# KiCad board rosco_m68k.kicad_pcb (continued)
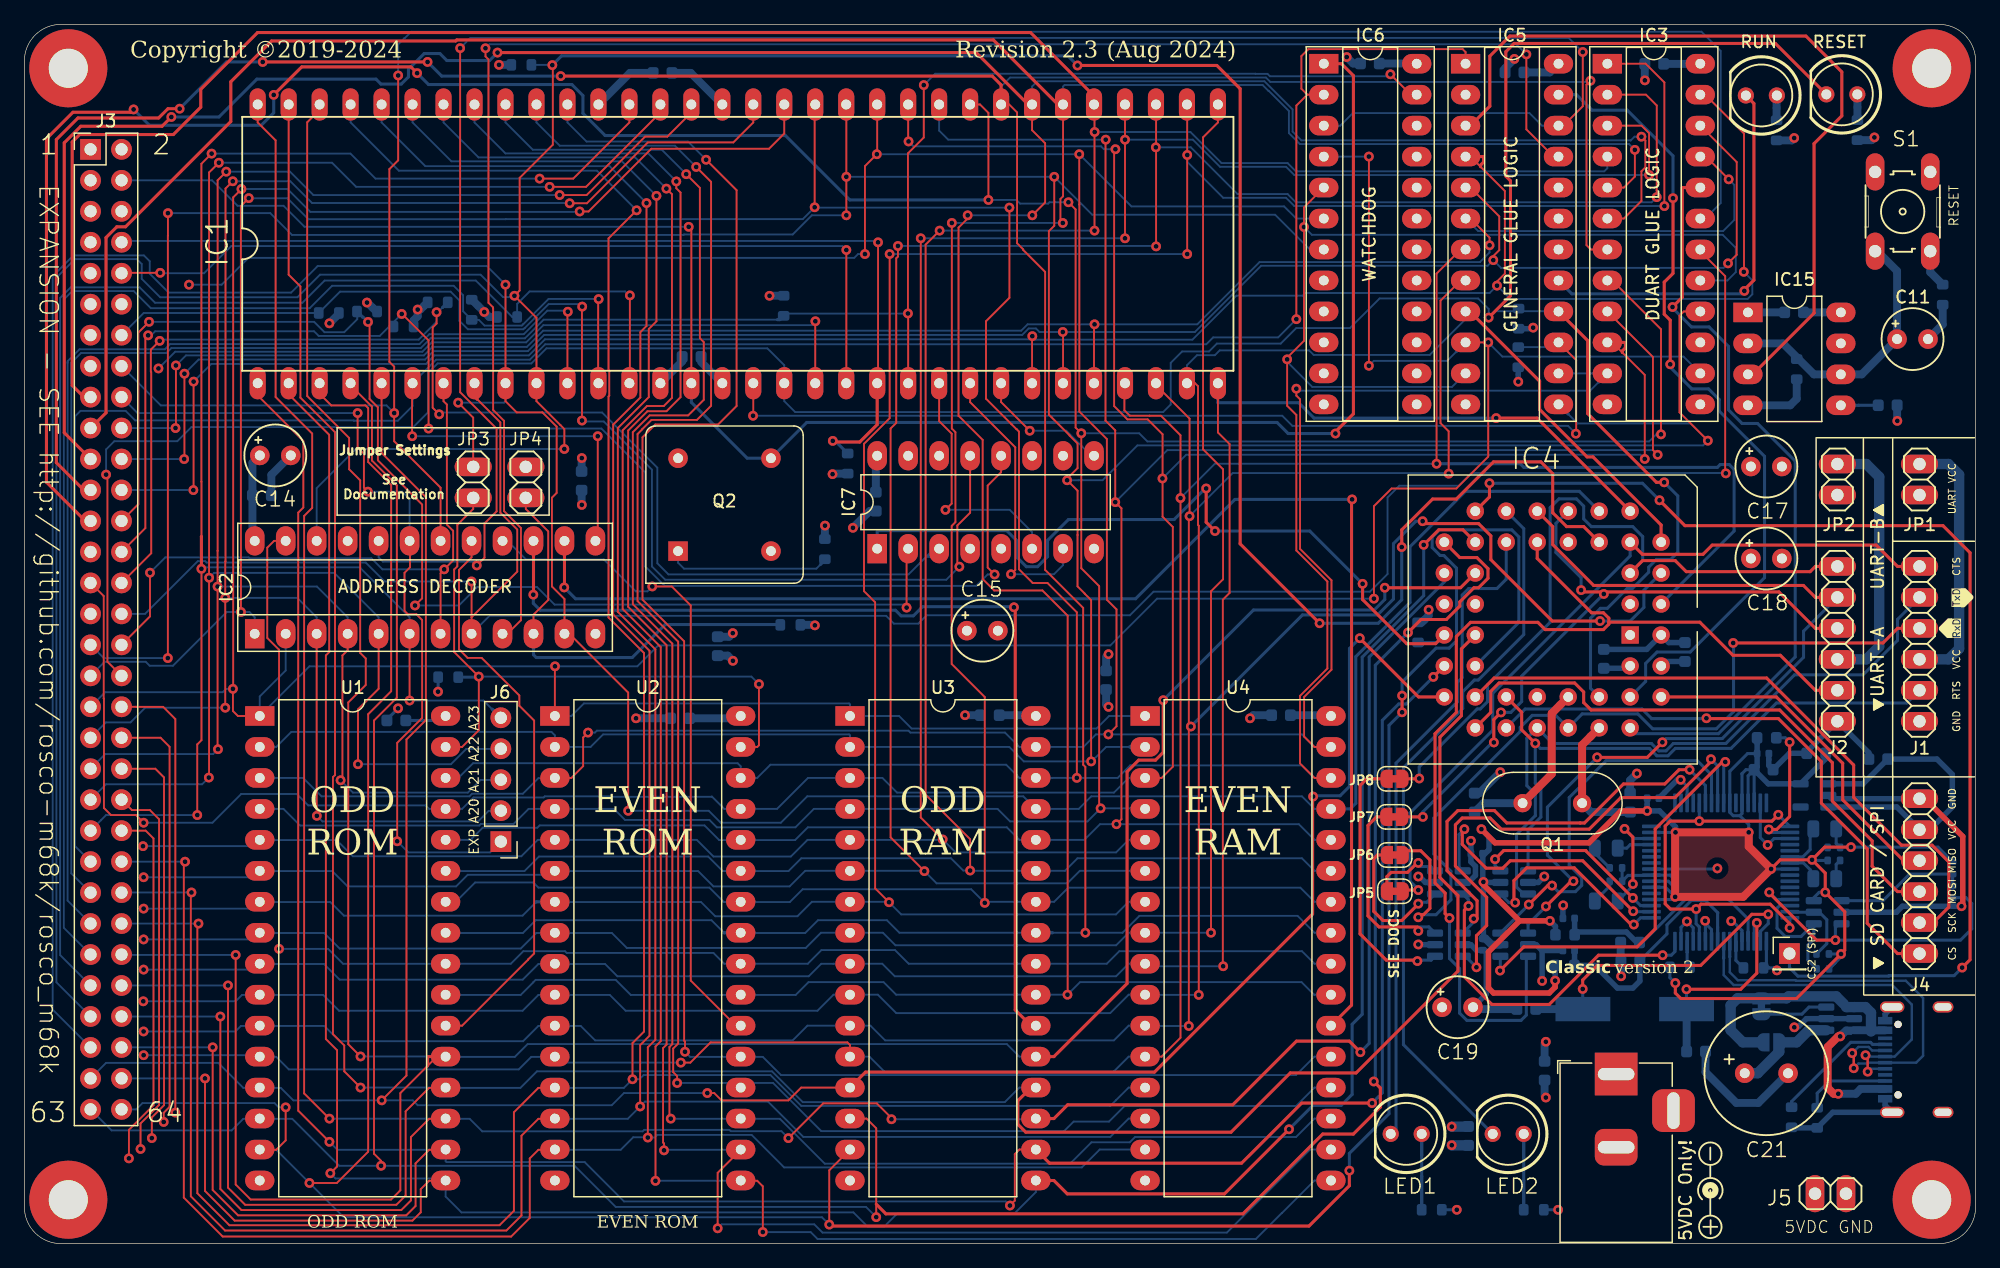
[diagram p0: board, top side]
## Nets
+3V3: C20.1 C23.1 C33.1 C34.1 C35.1 C36.1 FB1.2 FB2.2 FB3.2 IC9.5 IC11.5 IC12.20 IC12.22 IC12.23 IC12.24 IC12.31 IC12.42 IC12.44 IC12.45 IC12.46 IC12.56 R6.2 R20.2 R22.2 R23.2 R24.1 R25.2 R26.2 R33.2 U6.5 U8.6
GND: C1.1 C2.1 C3.2 C4.2 C5.2 C6.2 C7.2 C8.2 C9.2 C10.2 C11.- C12.2 C14.- C15.- C16.2 C17.- C18.- C19.- C20.2 C21.- C22.2 C23.2 C24.2 C25.2 C26.2 C27.2 C28.2 C29.2 C30.2 C31.2 C32.2 C33.2 C34.2 C35.2 C36.2 C37.2 C38.2 C39.2 C40.2 C41.1 C42.1 H1.1 H2.1 H3.1 H4.1 IC1.16 IC1.53 IC2.12 IC3.12 IC4.3 IC4.22 IC4.42 IC4.43 IC5.12 IC6.12 IC6.13 IC7.5 IC7.8 IC7.10 IC8.2 IC9.2 IC10.2 IC11.2 IC12.1 IC12.5 IC12.10 IC12.11 IC12.13 IC12.15 IC12.25 IC12.35 IC12.47 IC12.51 IC13.2 IC13.5 IC15.1 J1.1 J2.1 J3.6 J4.6 J5.2 J9.2 J10.A1 J10.A12 J10.B1 J10.B12 J10.S1 JP4.2 Q2.4 R4.2 R5.1 R28.1 R30.1 U1.16 U2.16 U3.16 U4.16 U6.2 U8.2
VCC: C3.1 C4.1 C5.1 C6.1 C7.1 C8.1 C9.1 C10.1 C12.1 C13.1 C14.+ C15.+ C16.1 C17.+ C18.+ C19.+ C21.+ C22.1 C24.1 C25.1 C26.1 C27.1 C28.1 C29.1 C30.1 C31.1 C32.1 IC1.14 IC1.49 IC2.24 IC3.24 IC4.44 IC5.24 IC6.24 IC7.4 IC7.11 IC7.16 IC8.5 IC10.5 IC13.1 IC15.4 IC15.8 J3.2 J4.5 J5.1 J9.1 JP1.2 JP2.2 Q2.8 R1.2 R2.2 R3.1 R7.2 R8.1 R9.2 R10.2 R11.1 R12.1 R13.2 R14.2 R15.1 R16.1 R17.1 R18.1 R19.1 R21.1 R27.2 R31.2 R32.2 SJ2.2 U1.32 U2.32 U3.32 U4.32 U6.1 U6.3
VCCUA: J1.3 JP1.1
VCCUB: J2.3 JP2.1
/FTDI (Optional)/EE_CLK: IC12.62 R25.1 U8.4
/FTDI (Optional)/EE_CS: IC12.63 R24.2 U8.5
/FTDI (Optional)/EE_DAT: IC12.61 R29.1 U8.3
/FTDI (Optional)/FTDI_CTSA: IC9.6 IC12.19
/FTDI (Optional)/FTDI_CTSB: IC11.4 IC12.41
/FTDI (Optional)/FTDI_RTSA: IC8.1 IC12.18
/FTDI (Optional)/FTDI_RTSB: IC10.3 IC12.40
/FTDI (Optional)/FTDI_RXA: IC9.4 IC12.17
/FTDI (Optional)/FTDI_RXB: IC11.6 IC12.39
/FTDI (Optional)/FTDI_TXA: IC8.3 IC12.16
/FTDI (Optional)/FTDI_TXB: IC10.1 IC12.38
/FTDI (Optional)/VCORE: IC12.12 IC12.37 IC12.49 IC12.64
/FTDI (Optional)/VPHY: C37.1 C39.1 FB2.1 IC12.4
/FTDI (Optional)/VPLL: C38.1 C40.1 FB3.1 IC12.9
A1: IC1.29 IC4.2 IC5.7 J3.1 U1.12 U2.12 U3.12 U4.12
A2: IC1.30 IC4.4 IC5.8 J3.3 U1.11 U2.11 U3.11 U4.11
A3: IC1.31 IC4.6 IC5.9 J3.5 U1.10 U2.10 U3.10 U4.10
A4: IC1.32 IC4.7 J3.7 U1.9 U2.9 U3.9 U4.9
A5: IC1.33 J3.9 U1.8 U2.8 U3.8 U4.8
A6: IC1.34 IC3.1 J3.11 U1.7 U2.7 U3.7 U4.7
A7: IC1.35 IC3.2 J3.13 U1.6 U2.6 U3.6 U4.6
A8: IC1.36 IC3.3 J3.15 U1.5 U2.5 U3.5 U4.5
A9: IC1.37 IC3.4 J3.17 U1.27 U2.27 U3.27 U4.27
A10: IC1.38 IC3.5 J3.19 U1.26 U2.26 U3.26 U4.26
A11: IC1.39 IC3.6 J3.21 U1.23 U2.23 U3.23 U4.23
A12: IC1.40 IC3.7 J3.23 U1.25 U2.25 U3.25 U4.25
A13: IC1.41 IC3.8 J3.25 U1.4 U2.4 U3.4 U4.4
A14: IC1.42 IC3.9 J3.27 U1.28 U2.28 U3.28 U4.28
A15: IC1.43 IC3.10 J3.29 U1.29 U2.29 U3.3 U4.3
A16: IC1.44 IC3.11 IC5.14 IC6.6 J3.31 U1.3 U2.3 U3.31 U4.31
A17: IC1.45 IC3.16 IC5.13 IC6.7 J3.33 U1.2 U2.2 U3.2 U4.2
A18: IC1.46 IC2.1 IC3.17 IC5.11 IC6.5 J3.35 U1.30 U2.30 U3.30 U4.30
A19: IC1.47 IC2.2 IC3.14 IC5.10 IC6.4 J3.37 U1.1 U2.1 U3.1 U4.1
A20: IC1.48 IC2.3 J3.39 J6.2
A21: IC1.50 IC2.4 J3.41 J6.3
A22: IC1.51 IC2.5 J3.43 J6.4
A23: IC1.52 IC2.6 J3.45 J6.5
AS: IC1.6 IC2.13 IC5.1 IC6.2 J3.47
BERR: IC1.22 IC6.23 J3.49 R10.1
BG: IC1.11 J3.51
BGACK: IC1.12 J3.53 R9.1
BOOT: IC2.9 IC5.21
BR: IC1.13 J3.55 R7.1
CLK: IC1.15 IC6.1 J3.4 Q2.5
CPUSP: IC2.20 IC5.22 IC6.3
CTSA: IC4.8 J1.6 JP5.2
CTSB: IC4.5 J2.6 JP8.2
D0: IC1.5 IC4.28 J3.61 U1.13 U3.13
D1: IC1.4 IC4.18 J3.63 U1.14 U3.14
D2: IC1.3 IC4.27 J3.64 U1.15 U3.15
D3: IC1.2 IC4.19 J3.62 U1.17 U3.17
D4: IC1.1 IC4.26 J3.60 U1.18 U3.18
D5: IC1.64 IC4.20 J3.58 U1.19 U3.19
D6: IC1.63 IC4.25 J3.56 U1.20 U3.20
D7: IC1.62 IC4.21 J3.54 U1.21 U3.21
D8: IC1.61 J3.52 U2.13 U4.13
D9: IC1.60 J3.50 U2.14 U4.14
D10: IC1.59 J3.48 U2.15 U4.15
D11: IC1.58 J3.46 U2.17 U4.17
D12: IC1.57 J3.44 U2.18 U4.18
D13: IC1.56 J3.42 U2.19 U4.19
D14: IC1.55 J3.40 U2.20 U4.20
D15: IC1.54 J3.38 U2.21 U4.21
DTACK: IC1.10 IC2.22 IC4.10 J3.57 R21.2
DUAIACK: IC4.41 IC5.23
DUAIRQ: IC4.24 IC7.1 R16.2
DUASEL: IC3.20 IC4.39
E: IC1.20 J3.10
EVENRAMSEL: IC2.14 U4.22
EVENROMSEL: IC2.16 U2.22
EXPSEL: IC2.19 J3.18 J6.1
FC0: IC1.28 IC3.21 IC5.6 J3.20
FC1: IC1.27 IC3.22 IC5.5 J3.22
FC2: IC1.26 IC3.23 IC5.4 J3.24
HALT: IC1.17 IC5.15 R31.1
HWRST: IC5.3 IC15.3
IOSEL: IC2.18 IC3.19 J3.16
IPL0: IC1.25 IC7.9
IPL1: IC1.24 IC7.7
IPL2: IC1.23 IC7.6
IRQ2: IC7.12 J3.28 R15.2
IRQ3: IC7.13 J3.14 R18.2
IRQ5: IC7.2 J3.26 R17.2
IRQ6: IC7.3 J3.30 R12.2
LDS: IC1.8 IC2.8 IC3.18 J3.32
LGEXP: IC2.10 JP4.1 R8.2
ODDRAMSEL: IC2.15 U3.22
ODDROMSEL: IC2.17 U1.22
RESET: IC1.18 IC4.38 IC5.16 J3.36 LED4.K R32.1
ROM_RW: JP3.2 R11.2 U1.31 U2.31
RTSA: IC4.32 IC9.1 J1.2
RTSB: IC4.14 IC11.3 J2.2
RUNLED: IC5.17 LED3.K
RW: IC1.9 IC2.11 IC4.9 J3.59 JP3.1 U3.29 U4.29
RXDA: IC4.35 J1.4 JP6.2
RXDB: IC4.11 J2.4 JP7.2
SPICLK: IC4.30 J4.2
SPICS: IC4.31 J4.1
SPICS2: IC4.17 J7.1
SPIMISO: IC4.40 J4.4
SPIMOSI: IC4.29 J4.3
TXDA: IC4.33 IC9.3 J1.5
TXDB: IC4.13 IC11.1 J2.5
UDS: IC1.7 IC2.7 J3.34
USB_DN: IC12.7 J10.A7 J10.B7
USB_DP: IC12.8 J10.A6 J10.B6
VMA: IC1.19 J3.12
VPA: IC1.21 J3.8 R19.2
WR: IC2.23 U1.24 U2.24 U3.24 U4.24
Net-(IC4-OP3): IC4.15 LED2.K
Net-(IC4-OP5): IC4.16 LED1.K
Net-(IC4-X1/CLK): C1.2 IC4.36 Q1.1
Net-(IC4-X2): C2.2 IC4.37 Q1.2
Net-(IC8-Y1): IC8.6 JP5.1
Net-(IC8-Y2): IC8.4 JP6.1
Net-(IC10-Y1): IC10.6 JP7.1
Net-(IC10-Y2): IC10.4 JP8.1
Net-(IC12-ACBUS3): IC12.29 LED5.1
Net-(IC12-ACBUS4): IC12.30 LED6.1
Net-(IC12-BCBUS3): IC12.54 LED7.1
Net-(IC12-BCBUS4): IC12.55 LED8.1
Net-(IC12-OSCI): C41.2 IC12.2 Y2.1
Net-(IC12-OSCO): C42.2 IC12.3 Y2.2
Net-(IC12-REF): IC12.6 R30.2
Net-(IC12-VREGIN): FB1.1 IC12.50
Net-(IC12-~{RESET}): IC12.14 R33.1
Net-(IC13-ON): IC13.3 SJ1.2
Net-(IC13-VIN-Pad4): IC13.4 IC13.6 J10.A4 J10.A9 J10.B4 J10.B9 SJ1.1 SJ2.1
Net-(IC15-CV): C13.2 IC15.5
Net-(IC15-THR): C11.+ IC15.2 IC15.6 R27.1 S1.1
Net-(J10-CC1): J10.A5 R5.2
Net-(J10-CC2): J10.B5 R4.1
Net-(LED1-PadA): LED1.A R1.1
Net-(LED2-PadA): LED2.A R2.1
Net-(LED3-PadA): LED3.A R13.1
Net-(LED4-PadA): LED4.A R14.1
Net-(LED5-A): LED5.2 R6.1
Net-(LED6-A): LED6.2 R20.1
Net-(LED7-A): LED7.2 R22.1
Net-(LED8-A): LED8.2 R23.1
Net-(Q2-EN): Q2.1 R3.2
Net-(S1-P): R28.2 S1.3
Net-(U8-DO): R26.1 R29.2 U8.1

Pads without a net: IC2 21; IC3 13 15; IC4 1 12 23 34; IC5 2 18 19 20; IC6 8 9 10 11 14 15 16 17 18 19 20 21 22; IC7 14 15; IC12 21 26 27 28 32 33 34 36 43 48 52 53 57 58 59 60; IC15 7; J9 3; J10 A8 B8; S1 2 4; U6 4

## Via types
v1: diameter 0.8, hole 0.4, Top to Bottom, 402 vias

## Routing (per net, layer and track width the routed paths; a pad name or vN(x,y) marks a point on that pad's centre or on a via; arc(x,y) is an arc through that point)
+3V3: length 177.1
  Top w0.25: v1(146.59,31.48) 147.63,32.52 v1(149.78,32.52) ; v1(146.59,31.48) 143.98,31.48 v1(143.23,30.73) ; v1(146.59,31.48) 147.67,30.39 v1(147.67,28.81) 149.27,27.21 149.27,24.06 v1(148.97,23.76) 145.31,20.1 135.83,20.1 135.38,20.56 135.38,21.6
  Top w0.45: v1(119.48,33.99) 120.59,32.88 128.29,32.88 130.91,35.49 v1(133.06,35.49) ; 122.6,26.47 120.05,23.93 120.05,20.97 120.47,20.56 125.04,20.56 125.52,21.04 v1(125.52,21.57) ; 122.6,26.47 v1(125.09,26.47) ; 122.6,26.47 119.64,29.43 v1(119.64,29.67)
  Top w0.65: v1(135.39,33.73) v1(141.4,33.73) 141.4,32.57 v1(143.23,30.73) 140.94,28.44 v1(135.36,28.44) 135.36,33.7 v1(135.39,33.73)
  Bottom w0.25: 139.84,35.76 139.84,35.37 140.12,35.1 140.67,35.1 ; 146.5,28.14 147.17,28.81 v1(147.67,28.81) ; 147.61,32.49 147.13,32.01 147.12,32.01 ; 140.67,35.1 141.4,34.37 v1(141.4,33.73) ; 140.67,35.1 140.84,35.27 IC12.44 140.84,38.53 140.84,38.54 141.17,38.87 C23.1 ; IC12.23 134.8,29.72 135.36,29.17 ; IC12.22 134.58,29.22 v1(135.36,28.44) ; v1(135.36,28.44) 135.14,28.22 IC12.20 ; v1(135.36,28.44) 135.36,29.17 ; IC12.42 139.84,38.74 141.29,40.19 C33.1 ; 125.52,22.19 FB3.2 ; v1(143.23,30.73) 143.24,30.72 144.77,30.72 ; C36.1 133.07,36.01 133.06,36.01 ; 134.93,22.17 134.93,21.81 v1(135.38,21.37) ; 135.36,29.17 135.36,29.82 134.95,30.22 IC12.24 ; 148.47,23.03 148.97,23.52 v1(148.97,23.76) R24.1 ; 148.47,23.03 148.47,23.03 R25.2 ; 148.47,23.03 147.98,22.54 ; IC12.46 141.84,36.92 141.84,36.93 C23.1 ; IC12.45 141.34,38.37 C23.1 ; 142.08,41.03 142.08,41.03 FB1.2 ; R6.2 R20.2 131.5,30.2 132.94,30.2 ; 147.6,32.49 147.12,32.01 ; 147.12,32.01 v1(146.59,31.48) 146.64,31.43 147.61,31.43 ; 158.11,31.33 156.92,32.52 v1(149.78,32.52) ; IC12.31 135.38,33.72 v1(135.39,33.73) ; 119.99,32.2 119.57,31.78
  Bottom w0.45: v1(125.09,26.47) 125.55,26.02 FB2.2 ; 142.08,41.48 C33.1 142.08,39.11 C23.1 143,37.71 U6.5 147.71,39.77 147.71,39.99 ; v1(119.64,29.67) 119.59,29.72 119.59,31.8 120.1,32.3 120.1,33.37 v1(119.48,33.99) ; v1(119.64,29.67) 119.69,29.62 IC9.5 ; v1(119.64,29.67) 119.64,25.09 C35.1 ; 133.06,36.53 v1(133.06,35.49) 134.08,35.49 135.39,34.18 v1(135.39,33.73) ; v1(125.52,21.57) FB3.2 ; 120.39,24.52 121.03,24.52
  Bottom w0.65: IC11.5 120.31,24.52 119.8,25.02 C35.1
GND: length 209.5
  Top w0.45: v1(158.84,27.67) 158.95,27.78 158.95,33.39 155.85,36.49
  Route2 w0.65: IC4.43 130.67,47.38 126.77,51.27 117.62,51.27 IC4.22
  Route2 w0.85: IC7.8 87.71,62.08 IC7.10 ; 114.75,50.4 114.98,50.4 116.43,51.85 IC4.22 ; 79.79,50.16 78.48,51.47 78.48,55.39 IC7.5
  Bottom w0.25: IC12.47 142.34,35.37 IC12.47 ; IC12.47 142.34,33.3 v1(142.95,32.7) 143.47,33.22 IC12.51 ; 137.84,26.26 138.34,25.76 IC12.10 ; 137.84,26.26 137.84,26.45 v1(137.82,26.48) ; 137.84,26.26 137.84,25.53 ; v1(135.81,38.04) 136.34,37.51 IC12.35 ; 118.61,32.73 118.61,32.73 118.61,31.78 ; 29.72,42.98 v1(30.64,43.9) ; v1(143.71,22.41) 143.5,22.61 143.06,22.61 ; 135.84,25.37 135.84,25.94 v1(136.32,26.42) 136.84,25.9 136.84,25.35 ; IC12.25 138.77,30.72 v1(138.82,30.77) ; IC12.5 140.84,25.68 140.03,26.49 140,26.45 v1(139.96,26.45) ; 137.84,25.53 IC12.11 137.84,25.53 ; IC12.1 142.84,22.85 ; 143.04,39.7 C33.2 ; 143.06,22.61 R30.1 ; 143.06,22.61 142.84,22.83 ; 118.61,32.26 118.61,31.84 ; 134.51,37.02 C36.2
  Bottom w0.45: 123.3,24.52 123.97,24.52 124.44,24.04 ; v1(158.84,27.67) 154,27.67 153.51,27.18 148.78,27.18 ; C16.2 151.25,40.26 J2.1 146.16,40.34 ; 118.61,31.84 v1(118.61,33.04) ; IC9.2 124.14,29.62 v1(124.63,30.11) ; J10.S1 152.58,18.83 J10.A1 ; 126.16,26.68 126.16,27.72 ; C20.2 144.74,40.22 C23.2 143.04,39.21 C33.2 ; 147.92,36.76 148.19,36.49 J4.6 ; 118.61,31.78 118.61,31.32 118.99,30.95 118.99,30.2 118.41,29.62 IC8.2 ; J10.A12 152.58,11.35 J10.S1 148.28,10.77 R4.2 144.95,9.5 ; v1(135.81,38.04) 135.54,38.04 134.51,37.02 C36.2 ; 136.16,47.75 134.58,47.75 134.21,47.38 ; C19.- 119.87,20.47 119.87,23.94 119.76,24.06 119.06,24.06 118.61,24.52 IC10.2 ; 124.44,24.04 126.15,24.04 ; 124.44,24.04 124.45,24.03 v1(124.45,21.55) ; IC13.5 IC13.2 146.12,18.45 145.47,17.79 145.18,17.79 v1(145.13,17.74) ; C27.2 131.48,47.19
  Bottom w0.65: C10.2 100.76,43.34 v1(100.5,43.09) ; R28.1 157.3,75.39 C11.- ; 52.99,43.09 v1(50.15,43.09) ; v1(132.22,38.56) 131.67,38 131.67,37.17 ; v1(121.03,38.67) 119.3,36.95 C1.1 ; C42.1 137.85,14.07 140.38,11.54 142.18,11.54 C21.- ; IC1.53 49.66,96.02 C12.2 ; C8.2 45.69,60.61 v1(45.71,60.59) ; v1(122.18,97.17) 121.41,96.41 C24.2 ; C32.2 20.25,63.05 C14.- ; v1(108.43,97.32) 108.96,96.79 109.56,96.79 ; v1(130.93,21.93) 130.93,23.16 ; 118.94,19.23 C41.1 ; C30.2 141.34,76.38 ; v1(88.9,44.03) 88.7,44.22 C9.2 ; C7.2 69.31,60.08 v1(67.94,58.71) ; v1(132.88,95.41) 132.88,95.41 C25.2 ; 130.89,24.54 130.89,23.2 ; C26.2 57.79,49.77 v1(58.09,50.07) ; C5.2 v1(77.13,43.34) ; 55.49,72.31 IC1.16 ; C22.2 124.66,12.08
  Bottom w0.85: v1(117.04,9.6) 118.38,9.6
  vias: v1(124.76,11.98) v1(126.18,27.74)
VCC: length 152.3
  Route15 w0.85: 69.93,65.27 71.75,67.09 80.49,67.09 82.63,64.95 ; 37.25,40.56 U1.32 ; 77.64,56.91 77.64,50.55 77.25,50.16
  Bottom w0.25: 32.76,76.91 32.77,76.91 R12.1 ; R1.2 v1(117.46,2.78) ; R17.1 28.6,76.78 28.54,76.78 ; 122.5,71.29 122.5,71.29 R31.2 ; R9.2 37.18,76.91 37.21,76.91 ; R11.1 33.92,45.27 v1(33.92,45.27) ; C3.1 34.17,42.91 ; 114.79,51.15 114.47,51.15 ; R2.2 v1(125.76,2.78)
  Bottom w0.45: v1(122.5,70.7) R31.2 ; 156.23,33.95 158.09,35.81 158.09,38.48 156.83,39.74 C16.1 150.77,37.71 U6.1 ; 115.67,24.52 114.24,24.52 ; C28.1 134.83,49.3 IC4.44 ; J4.5 153.54,35.81 U6.3 ; IC8.5 114.88,29.62 114.23,30.27 ; C27.1 133.03,48.74 134.21,49.92 ; R32.2 123.63,75.04
  Bottom w0.65: R7.2 38.12,76 v1(37.71,76.41) 36.7,77.41 ; C7.1 69.82,64.51 ; 134.42,96.76 137.41,96.76 ; 25.78,76.25 v1(25.01,75.48) ; R27.2 145.33,69.29 144.79,68.76 IC15.4 ; v1(28.09,77.18) 28.13,77.18 28.94,76.37 ; R21.1 v1(38.92,96.68) ; 114.6,50.96 115.15,51.51 v1(115.15,51.99) ; v1(151.7,90.73) 151.47,90.5 R14.2 ; v1(58.1,47.8) 57.67,48.22 C26.1 ; v1(64.82,50.71) 64.78,50.75 R8.1 ; v1(45.71,64.43) 45.69,64.41 C8.1 ; R15.1 31.91,75.72 32.25,76.05 v1(32.25,76.61) 32.46,76.61 33.05,77.2 ; 53.1,96.02 54.64,96.02 IC1.49 ; C29.1 53.94,72.36 IC1.14 ; C10.1 107.08,43.34 ; v1(153.58,67.48) 153.56,67.49 C13.1 ; R3.1 65.64,58.88 v1(65.65,58.89) ; C31.1 114.16,96.79 ; 67.51,63.16 66.31,63.16 v1(66.27,63.11) ; R10.2 61.1,77.74 v1(61.1,77.74) ; C14.+ 18.7,64.04 C32.1 18.7,57.82 ; C9.1 88.7,48.12 ; R13.2 144.92,90.48 v1(145.12,90.68) ; C24.1 125.08,96.06 IC5.24 ; C22.1 124.66,16.45 ; C4.1 58.55,43.09 ; C5.1 82.88,43.34 ; C30.1 148.94,76.38
  Bottom w0.85: v1(117.04,8.07) 117.06,8.06 C6.1 ; C21.+ 142.13,13.98 143.9,15.74 SJ2.2 145.32,16.51 146.31,17.5 IC13.1
  vias: v1(88.9,48.34) v1(114.3,30.11) v1(114.3,24.54) v1(123.72,75.13) v1(124.76,16.55)
VCCUA: length 21.5
  Bottom w0.85: J1.3 157.77,47.92 158.65,48.79 158.65,63.07 157.77,63.94 JP1.1
VCCUB: length 21.6
  Bottom w0.85: JP2.1 151.04,63.94 152.09,62.88 152.09,48.98 151.04,47.92 J2.3
/FTDI (Optional)/EE_CLK: length 10.7
  Bottom w0.25: 144.77,27.72 143.92,27.72 143.72,27.52 143.72,25.86 144.39,25.19 145.69,25.19 U8.4 146.73,24.98 146.25,24.49 146.25,23.25 R25.1
/FTDI (Optional)/EE_CS: length 6.5
  Bottom w0.25: R24.2 147.8,24.6 147.8,26.57 147.18,27.18 144.81,27.18 144.77,27.22
/FTDI (Optional)/EE_DAT: length 26.1
  Top w0.25: v1(143.08,28.81) 143.08,28.76 146.95,24.89 v1(148.5,24.89)
  Bottom w0.25: 148.55,26 148.78,26.23 148.55,26 ; 148.55,26 148.5,25.96 v1(148.5,24.89) 158.76,24.89 159.68,25.81 159.68,27.9 159.2,28.38 158.16,28.38 ; 144.77,28.22 143.67,28.22 v1(143.08,28.81)
/FTDI (Optional)/FTDI_CTSA: length 16.1
  Top w0.25: v1(120.59,31.53) 121.3,32.24 128.04,32.24 128.04,32.21 v1(131.9,28.35)
  Bottom w0.25: IC9.6 120.59,31.01 v1(120.59,31.53) ; IC12.19 132.53,27.72 v1(131.9,28.35)
/FTDI (Optional)/FTDI_CTSB: length 35
  Top w0.25: v1(121,22.39) 122.95,24.34 132.25,24.34 133.73,25.81 133.73,34 139.23,39.51 v1(139.47,39.51)
  Bottom w0.25: IC11.4 121.03,22.42 v1(121,22.39) ; v1(139.47,39.51) 139.34,39.38 IC12.41
/FTDI (Optional)/FTDI_RTSA: length 23.3
  Top w0.25: v1(118.08,33.99) 117.91,33.82 117.91,32.74 119.86,30.79 121.23,30.79 121.84,31.4 127.78,31.4 v1(131.92,27.26)
  Bottom w0.25: IC8.1 117.65,30.87 117.65,33.56 v1(118.08,33.99) ; IC12.18 131.96,27.22 v1(131.92,27.26)
/FTDI (Optional)/FTDI_RTSB: length 42.2
  Top w0.25: v1(119.07,22.66) 119.07,25.26 119.91,26.09 119.91,28.4 117.34,30.97 117.34,34.35 117.9,34.91 120.19,34.91 121.1,33.99 128.32,33.99 130.91,36.58 135.35,36.58 138.3,39.53 v1(138.3,39.73)
  Bottom w0.25: v1(138.3,39.73) 138.84,39.19 IC12.40 ; 118.17,23.57 v1(119.07,22.66)
/FTDI (Optional)/FTDI_RXA: length 17.2
  Top w0.25: v1(122.24,27.97) 122.14,28.07 122.14,29.78 123.18,30.82 127.1,30.82 131.74,26.17 v1(131.97,26.17)
  Bottom w0.25: v1(122.24,27.97) 121.73,27.97 IC9.4 ; IC12.17 132.53,26.72 v1(131.97,26.17)
/FTDI (Optional)/FTDI_RXB: length 32
  Top w0.25: v1(123.36,27.81) 124.92,29.37 v1(125.27,29.37)
  Bottom w0.25: v1(123.36,27.81) 123.36,27.8 IC11.6 ; IC12.39 138.34,38.44 137.18,39.61 129.69,39.61 126.68,36.59 126.68,31.04 127.7,30.02 127.7,29.38 127.18,28.87 125.76,28.87 v1(125.27,29.37)
/FTDI (Optional)/FTDI_TXA: length 28
  Top w0.25: v1(134.33,23.66) 129.08,23.66 125.04,19.62 120.34,19.62 118.08,21.88 118.08,27.36 v1(118.42,27.69)
  Bottom w0.25: v1(118.42,27.69) 118.42,28.21 IC8.3 ; v1(134.33,23.66) 135.05,23.66 135.34,23.95 IC12.16
/FTDI (Optional)/FTDI_TXB: length 36.4
  Top w0.25: v1(136.54,38.87) 135.68,38.87 134.51,37.7 131.12,37.7 127.92,34.5 127.57,34.5 127.57,34.5 121.56,34.5 120.54,35.52 117.55,35.52 116.66,34.63 116.66,30.59 119.12,28.13 119.12,26.65
  Bottom w0.25: 117.95,25.48 119.12,26.65 ; IC12.38 137.84,37.57 v1(136.54,38.87)
  vias: v1(118.84,26.65)
/FTDI (Optional)/VCORE: length 34.2
  Top w0.25: v1(144.75,25.9) 144.75,26.25 143.16,27.84 137.48,27.84 v1(137.08,27.44) 134.98,27.44 134.55,27.87 134.55,34.25 134.95,34.65 v1(137.34,34.65) 143.3,34.65 v1(143.82,35.17)
  Bottom w0.25: 144.77,26.72 144.77,25.92 v1(144.75,25.9) ; 137.34,35.4 IC12.37 137.34,35.4 ; 137.34,35.4 137.34,34.66 v1(137.34,34.65) ; v1(137.08,27.44) 137.08,26.24 137.34,25.97 137.34,25.39 ; 144.77,34.22 v1(143.82,35.17)
/FTDI (Optional)/VPHY: length 20.8
  Bottom w0.25: 141.34,25.57 141.34,26.63 139.42,28.55 136.52,28.55 132.67,24.7 ; 141.34,25.57 IC12.4 141.34,25.57 ; 127.12,25.4 127.12,25.83 127.12,25.83
  Bottom w0.45: 127.12,26.45 127.12,25.33 ; 132.22,24.7 131.36,25.56 127.35,25.56 FB2.1
/FTDI (Optional)/VPLL: length 22.5
  Bottom w0.25: 127.11,23.24 127.1,23.23 FB3.1 ; 138.84,25.96 IC12.9 138.84,25.96 ; 138.84,25.96 138.84,27.12 138.86,27.13 137.84,28.15 136.7,28.15 134.69,26.14 134.69,25.41 132.47,23.19
  Bottom w0.45: C40.1 132.47,21.53 131.9,20.96 130.63,20.96 128.77,22.82 FB3.1 ; 127.11,22.84 127.11,24.04
A1: length 310.3
  Top w0.152: U4.12 93.25,15.34 94.8,16.88 v1(94.8,61.15) 94.8,66.3 93.2,67.9 92.26,67.9 92.25,67.9 90.64,67.9 90.2,68.35 90.2,69.86 ; U3.12 67.7,16.29 67.48,16.5 56.27,16.5 54.61,14.85 v1(53.83,14.85) ; 117.78,81.54 115.8,79.56 v1(115.8,63.96)
  Route15 w0.152: v1(9.77,15.45) 9.15,14.82 1.6,14.82 0.42,16 0.42,85.75 4.42,89.75 J3.1
  Bottom w0.152: v1(94.8,61.15) 97.61,63.96 v1(115.8,63.96) ; U4.12 90.55,15.34 89.34,14.13 70.5,14.13 69.29,15.34 U3.12 ; v1(9.77,15.45) 19.16,15.45 ; 43.48,15.32 41.57,15.32 40.54,14.29 21.68,14.29 20.65,15.32 19.32,15.32 ; v1(53.83,14.85) 43.99,14.85
  Bottom w0.25: v1(115.8,63.96) 122.66,63.96 122.96,63.66 138.82,63.66 139.06,63.9 139.79,63.9 140.2,63.49 140.2,58.44 IC4.2
A2: length 316.4
  Top w0.152: 92.79,70.42 95.54,67.66 v1(95.54,59.66) 95.48,59.6 v1(95.48,17.85) ; v1(116.79,63.15) 116.79,66.62 116.12,67.3 116.12,77.34 117.78,79
  Top w0.25: v1(129.2,51.06) 125.29,51.06 120.25,56.1 120.25,58.05 119.24,59.06 114.85,59.06 v1(114.66,59.25)
  Route15 w0.152: J3.3 4.57,86.36 4.56,86.36 0.73,82.53 0.73,20.42 3.77,17.38 9.75,17.38 v1(9.77,17.4)
  Bottom w0.152: U4.11 90.55,17.88 89.34,16.67 70.58,16.67 69.37,17.88 U3.11 64.21,17.88 63,16.67 46.8,16.67 45.61,17.86 42.15,17.86 40.89,16.6 25.85,16.6 24.59,17.86 17.76,17.86 17.3,17.4 v1(9.77,17.4) ; v1(116.79,63.15) 116.74,63.2 99.08,63.2 v1(95.54,59.66) ; v1(95.48,17.85) 91.93,17.85
  Bottom w0.25: v1(129.2,51.06) 131.68,51.06 132.8,52.19 132.8,53.59 IC4.4 ; v1(95.65,42.41) 104.8,51.56 110.96,51.56 112.26,52.86 112.26,57.41 114.1,59.25 v1(114.66,59.25)
A3: length 267
  Top w0.152: IC1.31 95.99,70.57 96.24,70.32 96.24,58.94 96.3,58.88 v1(96.3,20.4)
  Top w0.25: 118.53,76.46 124.25,70.74 124.25,68.42 128.14,64.53 128.63,64.53 134.21,58.94 IC4.6
  Route15 w0.152: J3.5 1.03,80.28 1.03,22.14 3.27,19.9 9.72,19.9 v1(9.75,19.88)
  Bottom w0.152: 118.18,75.83 115.23,72.89 105.72,72.89 105.35,73.26 98.01,73.26 97.62,72.87 96.15,72.87 95.33,72.04 IC1.31 ; v1(9.75,19.88) 17.32,19.88 17.85,20.4 24.5,20.4 25.8,19.1 40.85,19.1 42.15,20.4 48,20.4 49.3,19.1 65.03,19.1 66.35,20.42 U3.10 69.98,20.42 71.5,18.91 89.04,18.91 90.55,20.42 U4.10 ; v1(96.3,20.4) 91.92,20.4
A4: length 247.1
  Top w0.152: v1(98.3,22.75) 98.27,22.78 98.27,52.82 98.83,53.37 98.83,65.57 97.87,66.53 IC1.32
  Top w0.25: IC4.7 124.04,67.71 v1(120.68,67.71)
  Route15 w0.152: J3.7 1.34,78.04 1.34,23.89 2.75,22.47 v1(9.77,22.47)
  Bottom w0.152: v1(9.77,22.47) 18.82,22.47 ; U4.9 90.55,22.96 89.52,21.93 71.37,21.93 70.34,22.96 U3.9 66.35,22.96 66.34,22.95 65.34,22.95 64.32,21.93 48.62,21.93 47.61,22.94 42.15,22.94 40.86,21.65 25.85,21.65 24.56,22.94 19.3,22.94 ; v1(98.3,22.75) 92.11,22.75
  Bottom w0.25: v1(120.68,67.71) 105.75,67.71 104.49,68.97 97.87,68.97 IC1.32
A5: length 222.6
  Top w0.152: v1(97.3,25.5) 97.3,53.5 98.29,54.49 98.29,63.51 96.65,65.15 96.65,90.74 97.87,91.96 IC1.33
  Route15 w0.152: v1(9.77,24.95) 3.6,24.95 1.64,26.91 1.64,75.81 J3.9
  Bottom w0.152: U4.8 90.55,25.5 89.52,24.47 71.43,24.47 70.4,25.5 U3.8 65.32,25.5 64.07,24.25 49.4,24.25 48.17,25.48 41.98,25.48 40.7,24.2 25.85,24.2 24.57,25.48 19.3,25.48 ; v1(9.77,24.95) 18.75,24.95 ; v1(97.3,25.5) 91.9,25.5
A6: length 291.8
  Top w0.152: v1(70.95,81.16) 70.95,67.7 68.85,65.6 68.85,53.51 69.76,52.6 69.76,29.14 v1(70.9,28) ; v1(95.35,81.16) 95.35,89.28 ; 95.35,89.28 95.35,93.41 ; 95.35,89.28 v1(95.35,89.29) ; IC3.1 132.94,96.78 134.48,95.24 v1(134.48,85.1)
  Route15 w0.152: J3.11 1.99,73.61 1.99,73.59 1.95,73.55 1.95,68.15 1.95,29.3 3.77,27.47 v1(9.77,27.47)
  Bottom w0.152: v1(134.48,85.1) 134.47,85.1 104.13,85.1 103.45,85.78 98.3,85.78 95.35,88.72 v1(95.35,89.29) ; U4.7 90.55,28.04 89.51,27 71.9,27 v1(70.9,28) 70.86,28.04 U3.7 64.58,28.04 63.39,26.85 56.65,26.85 55.48,28.02 41.97,28.02 40.85,26.9 26.2,26.9 25.08,28.02 19.3,28.02 ; v1(70.95,81.16) v1(95.35,81.16) ; v1(9.77,27.47) 18.74,27.47
  Bottom w0.25: 41.97,28.02 41.99,28.04 U2.7
A7: length 277.1
  Top w0.152: IC3.2 132.97,94.24 133.85,93.35 133.85,86.4 133.85,86.39 v1(133.85,85.83) ; v1(92.8,81.79) 92.8,89.94 ; 92.8,89.94 92.8,93.42 ; 92.8,89.94 v1(92.78,89.92) ; v1(71.63,81.83) 71.63,80.96 71.49,80.82 71.49,67.32 71.03,66.85 71.03,33.32 v1(73.8,30.55)
  Route15 w0.152: J3.13 2.25,71.34 2.25,68.28 2.25,68.28 2.25,31.39 3.57,30.07 9.75,30.07 v1(9.77,30.05)
  Bottom w0.152: 43.18,30.25 36.35,30.25 35.4,29.3 26.5,29.3 25.24,30.56 19.32,30.56 ; 43.5,30.56 55.24,30.56 56.5,29.3 62.75,29.3 64.03,30.58 U3.6 73.77,30.58 v1(73.8,30.55) 74.8,29.55 85.52,29.55 86.54,30.58 U4.6 ; v1(9.77,30.05) 18.77,30.05 ; v1(92.78,89.92) 95.65,89.92 99.48,86.08 103.58,86.08 104.25,85.41 133.43,85.41 v1(133.85,85.83) ; v1(92.8,81.79) 92.76,81.83 v1(71.63,81.83)
A8: length 260.9
  Top w0.152: v1(75.3,33.15) 73.5,34.95 v1(73.5,82.46) ; IC1.36 90.25,90.55 ; v1(90.25,90.55) 90.25,90.55 ; 90.25,90.55 v1(90.25,82.46) ; IC3.3 132.61,91.7 133.22,91.08 v1(133.22,87.65)
  Route15 w0.152: v1(9.72,32.6) 3.72,32.6 2.56,33.77 2.56,69.1 J3.15
  Bottom w0.152: v1(90.25,90.55) 95.81,90.55 98.04,88.32 103.46,88.32 104.13,87.64 131.55,87.64 131.55,87.65 v1(133.22,87.65) ; 19.3,33.1 25.6,33.1 26.93,31.77 40.75,31.77 42.1,33.12 U2.5 55.13,33.12 56.5,31.75 62.85,31.75 64.22,33.12 U3.5 75.27,33.12 v1(75.3,33.15) 76.36,32.09 89.52,32.09 90.55,33.12 U4.5 ; 18.78,32.6 v1(9.72,32.6) ; v1(73.5,82.46) v1(90.25,82.46)
A9: length 369.3
  Top w0.152: v1(75.05,83.08) 73.9,81.93 73.9,36.82 77.55,33.17 v1(77.55,30.6) ; 87.75,91.19 87.75,93.39 ; 87.75,91.19 v1(87.76,91.17) ; 87.75,91.19 v1(87.75,83.08)
  Top w0.25: 87.61,94.23 82.51,99.33 19.12,99.33 14.46,94.67 14.46,93.21 12.21,90.96 4.53,90.96 3.92,90.36 3.92,70.39 4.88,69.43
  Route15 w0.152: 34.54,30.56 24.32,30.56 22.29,32.59 22.29,45.16 20.1,47.35 14.94,47.35 13.8,48.49 13.8,60.12 13.23,60.7 13.23,63.23 8.48,67.97 6.89,67.97 J3.17
  Bottom w0.152: v1(87.76,91.17) 95.61,91.17 98.17,88.62 103.58,88.62 104.26,87.95 129.55,87.95 129.8,88.2 129.8,88.68 ; U4.27 105.79,30.58 104.76,31.6 86.35,31.6 85.33,30.58 U3.27 77.57,30.58 v1(77.55,30.6) 76.98,30.6 75.98,31.6 63.7,31.6 62.66,30.56 57.26,30.56 56.07,31.75 42.2,31.75 41.01,30.56 34.54,30.56 ; v1(75.05,83.08) v1(87.75,83.08)
A10: length 373
  Top w0.152: v1(85.15,83.71) 84.95,83.91 84.95,85.68 85.17,85.9 85.17,93.01 ; v1(78.75,27.95) 78.75,44.83 76.04,47.54 76.04,58.87 76.34,59.17 76.34,66.56 76.05,66.85 v1(76.05,83.71) ; IC3.5 131.16,86.62 132.06,87.52 v1(132.06,89.71)
  Top w0.25: 5.44,66.89 6.69,68.14 6.69,82.51 7.58,83.4 8.29,83.4 16.93,92.03 16.93,95.29 20.27,98.64 35.37,98.64 35.45,98.73 79.45,98.73 85.17,93.01
  Route15 w0.152: J3.19 6.74,65.57 9.38,65.57 12.92,62.03 12.92,60.57 13.5,60 13.5,48.36 14.81,47.04 19.98,47.04 21.98,45.04 21.98,32.46 26.43,28.02 34.54,28.02
  Bottom w0.152: U4.26 105.79,28.04 104.63,29.19 85.59,29.19 84.44,28.04 U3.26 78.84,28.04 v1(78.75,27.95) 77.63,29.06 63.81,29.06 62.77,28.02 57.35,28.02 56.17,29.2 42.15,29.2 41.74,29.61 41.74,29.62 36.96,29.62 35.38,28.04 ; v1(76.05,83.71) v1(85.15,83.71) ; IC1.38 85.17,94.9 85.3,95.03 101.53,95.03 102.01,94.55 102.03,94.55 103.69,92.9 103.69,91.08 104.59,90.18 131.58,90.18 v1(132.06,89.71)
A11: length 401.9
  Top w0.152: v1(132.6,90.79) 132.92,90.47 132.92,88.27 132.6,87.95 132.6,85.52 131.16,84.08 IC3.6 ; 82.63,93.1 82.63,91.32 83.7,90.25 83.7,85.39 v1(82.65,84.34) ; v1(77.35,84.34) 77.35,84.08 76.6,83.33 76.6,67.9 78.58,65.92 78.58,54.51 79.52,53.57 83.48,53.57 85.55,51.5 85.55,20.43 v1(85.53,20.42)
  Top w0.25: J3.21 3.27,66.5 3.27,90.29 4.63,91.64 11.29,91.64 v1(12.05,92.41) ; 82.63,93.1 78.05,97.69 v1(38.8,97.69)
  Route15 w0.152: J3.21 4.1,63.02 4.1,61.15 4.82,60.43 12.21,60.43 12.89,59.75 12.89,48.11 14.56,46.43 19.72,46.43 21.38,44.78 21.38,32.21 33.19,20.4 34.54,20.4
  Bottom w0.152: IC1.39 82.63,94.9 83.06,95.33 101.68,95.33 104,93.02 104,91.21 104.71,90.49 131.71,90.49 131.72,90.48 132.03,90.79 v1(132.6,90.79) ; v1(77.35,84.34) v1(82.65,84.34) ; 34.54,20.4 40.7,20.4 41.72,21.42 41.72,21.43 41.92,21.63 48.49,21.63 49.72,20.4 63.25,20.4 64.29,21.44 70.45,21.44 71.48,20.42 U3.23 v1(85.53,20.42) 86.56,21.44 104.73,21.44 105.77,20.4 105.79,20.42 U4.23
  Bottom w0.25: v1(38.8,97.69) 38.15,97.04 34.64,97.04 34.07,97.61 32.78,97.61 31.49,96.32 31.49,95.69 30.91,95.11 29.24,95.11 28.83,95.51 19.06,95.51 15.96,92.41 v1(12.05,92.41)
A12: length 385.7
  Top w0.152: IC1.40 80.75,93.43 81.4,92.78 81.4,82.05 81.9,81.55 81.9,81.5 83.7,79.7 83.7,55.26 86.82,52.14 86.82,39.28 87,39.1 v1(87,25.5) ; v1(128.42,95.38) 128.09,95.06 128.09,81.89 128.45,81.54 IC3.7
  Top w0.25: 4.86,61.81 2.62,64.05 2.62,90.55 4.39,92.32 11.01,92.32 11.77,93.08 v1(12.73,93.08) ; v1(19.54,96.92) v1(33.06,96.92) ; v1(43.98,95.76) 79.36,95.76 80.09,95.03 IC1.40
  Route15 w0.152: 34.54,25.48 28.54,25.48 21.68,32.33 21.68,44.91 19.85,46.74 14.69,46.74 13.19,48.23 13.19,59.87 12.33,60.73 6.5,60.73 J3.23
  Bottom w0.152: v1(128.42,95.38) 128.31,95.28 102.17,95.28 101.81,95.64 80.83,95.64 80.09,94.9 IC1.40 ; 34.54,25.48 40.88,25.48 41.92,26.53 56.34,26.53 57.39,25.48 64.03,25.48 65.07,26.53 70.72,26.53 71.75,25.5 84.29,25.5 84.3,25.5 v1(87,25.5) 90.04,25.5 90.04,25.5 91.43,26.88 104.4,26.88 105.79,25.5 U4.25
  Bottom w0.25: v1(12.73,93.08) 16.56,96.92 v1(19.54,96.92) ; U3.25 84.29,25.5 ; U2.25 57.41,25.5 57.39,25.48 ; v1(43.98,95.76) 34.22,95.76 v1(33.06,96.92)
A13: length 359.9
  Top w0.152: v1(88.25,35.7) 88.13,35.82 88.13,53.92 86.66,55.39 v1(86.66,66.46) 86.2,66.93 86.2,84.82 v1(85.61,85.41) ; IC1.41 78.36,93.43 79.05,92.74 v1(79.05,85.6) ; 130.2,79 134.2,75 v1(134.2,66.38)
  Top w0.25: v1(32.2,96) 31.69,96.51 22.74,96.51 v1(20.44,94.22) ; v1(8.95,93.03) 8.72,92.79 3.98,92.79 1.81,90.62 1.81,62.45 4.99,59.27
  Route15 w0.152: J3.25 3.95,57.79 3.95,56.1 4.6,55.45 9.17,55.45 9.67,54.95 ; 9.67,54.95 9.67,41.23 15.24,35.66 U1.4
  Bottom w0.152: v1(79.05,85.6) 81.35,85.6 81.65,85.3 83.95,85.3 84.06,85.41 v1(85.61,85.41) ; v1(134.2,66.38) 133.82,66.38 133.23,65.79 92.09,65.79 91.41,66.46 v1(86.66,66.46) ; U1.4 21.25,35.66 22.61,34.29 37.3,34.29 37.43,34.42 40.11,34.42 41.35,35.66 U2.4 48.34,35.66 49.25,34.75 56.18,34.75 56.78,34.14 63.22,34.14 64.74,35.66 U3.4 79.8,35.66 80.83,34.63 87.18,34.63 v1(88.25,35.7) 91.86,35.7
  Bottom w0.25: v1(8.95,93.03) 10.25,91.73 19.42,91.73 20.44,92.75 v1(20.44,94.22) ; v1(32.2,96) 33.14,95.07 44.89,95.07 45.8,94.16 45.8,92.7 47.62,90.88 62.4,90.88 67.68,85.6 v1(79.05,85.6)
A14: length 286
  Top w0.152: v1(88.67,90.55) 88.65,90.53 88.65,67.5 89.45,66.7 89.45,66.7 89.45,63.47 89.45,63.47 v1(89.45,60.81) 89.96,60.31 89.96,34.81 v1(89.55,34.4) ; IC3.9 133.54,72.72 133.54,65.09 v1(133.93,64.7)
  Route15 w0.152: J3.27 6.77,58.07 9.12,58.07 9.55,58.5 12.32,58.5 12.58,58.24 12.58,47.98 14.43,46.13 19.6,46.13 21.07,44.66 21.07,32.08 33,20.15 33,19.47 33.38,19.1 36.2,19.1 36.6,19.5 36.6,32.7 36.2,33.1 34.54,33.1
  Bottom w0.152: v1(89.45,60.81) 93.72,65.08 133.55,65.08 v1(133.93,64.7) ; U4.28 105.79,33.12 104.5,34.4 v1(89.55,34.4) 88.2,34.4 86.92,33.12 U3.28 81.59,33.12 80.56,34.14 64.25,34.14 63.2,33.1 56.97,33.1 55.77,34.3 42.25,34.3 42.06,34.11 37.58,34.11 36.71,33.24 36.71,33.22 36.61,33.12 U1.28 ; v1(88.67,90.55) 75.75,90.55 75.01,91.29 IC1.42
A15: length 239.4
  Top w0.152: IC1.43 72.47,90.43 v1(72.5,90.4) ; U4.3 93.25,38.2 94.17,39.11 94.17,58.78 93.33,59.62 93.33,62.75 ; J3.29 6.5,53.11 6.5,44.7 6.52,44.68 6.52,35.72 7.1,35.15 9.15,35.15 v1(9.77,34.52) ; v1(132.87,64.36) 132.87,71.25 131.03,73.08 130.2,73.92 ; 93.33,62.75 93.33,66.38 92.11,67.6 90.45,67.6 89.36,68.69 89.36,89.66 v1(89.47,89.76) ; 93.33,62.75 v1(93.32,62.76)
  Top w0.25: 131.03,73.08 131.03,73.22 131.28,73.47 131.28,73.92 IC3.10
  Bottom w0.152: v1(93.32,62.76) 95.26,64.7 132.53,64.7 v1(132.87,64.36) ; v1(9.77,34.52) 15.42,34.52 17.78,36.88 22.34,36.88 23.27,35.94 32.9,35.94 33.19,35.66 U1.29 35.89,35.66 36.83,36.59 42.58,36.59 42.67,36.68 48.08,36.68 48.12,36.64 56.35,36.64 56.38,36.67 57.39,35.66 U2.29 61.72,35.66 64.26,38.2 U3.3 70.35,38.2 71.56,36.99 89.34,36.99 90.55,38.2 U4.3 ; v1(89.47,89.76) 88.52,89.76 88.28,90 72.9,90 v1(72.5,90.4)
A16: length 351.8
  Top w0.152: v1(86.5,89.35) 86.5,85.23 86.5,85.23 86.5,68.25 88.76,65.99 88.76,52.81 89.55,52.02 89.55,42.43 v1(88.89,41.77) ; v1(104.3,70.12) 104.3,69.55 104.61,69.25 104.61,56.98 107.18,54.4 107.18,47.08 104.94,44.83 104.94,41.59 105.79,40.74 U4.31 ; IC1.44 69.93,89.38 v1(69.9,89.35) 68.92,88.38 v1(68.92,81.16) ; U2.3 44.85,38.2 45.82,39.16 45.82,41.52 v1(46.22,41.91)
  Route15 w0.152: v1(13.5,78.65) 10.22,78.65 10.08,78.51 7.09,78.51 6.5,77.93 6.5,71.45 5.83,70.78 4.67,70.78 2.86,68.98 2.86,54.21 J3.31
  Bottom w0.152: v1(104.3,70.12) 104.46,69.96 128.39,69.96 IC3.11 IC5.14 ; v1(13.5,78.65) 16.17,78.65 18.38,80.85 68.05,80.85 68.36,81.16 v1(68.92,81.16) ; 43.48,38.18 42.15,38.18 40.87,36.9 36.7,36.9 36.49,36.68 24.36,36.68 22.85,38.2 U1.3 ; IC6.6 104.29,84.08 103.3,85.07 90.78,85.07 v1(86.5,89.35) v1(69.9,89.35) ; U4.31 105.79,40.74 104.76,41.77 v1(88.89,41.77) 87.86,41.77 86.84,40.74 U3.31 81.59,40.74 80.41,41.91 72.65,41.91 72.5,42.07 46.94,42.07 46.78,41.91 v1(46.22,41.91)
  Bottom w0.25: 129.1,70.67 IC3.11
A17: length 360.9
  Top w0.152: v1(11.76,48.02) 11.76,82.68 11.77,82.68 v1(11.77,84.52) ; v1(138.04,65.86) 135.72,68.18 135.72,76.1 136.07,76.46 IC3.16 ; v1(84.45,87.5) 84.45,83.48 84,83.04 84,68 85.71,66.29 85.71,66.27 86.36,65.62 86.36,63.61 85.5,62.75 v1(85.5,62.61) 86.36,61.75 86.36,58.12 86.36,58.12 86.36,53.91 86.95,53.31 86.95,53.3 87.47,52.78 87.47,39.55 v1(87.48,39.55) ; 67.4,93.42 v1(67.4,87.5) v1(67.4,84.34)
  Bottom w0.152: v1(11.77,84.52) 20.16,84.52 21.95,82.73 54.05,82.73 54.08,82.77 63,82.77 64.57,84.34 v1(67.4,84.34) ; v1(85.5,62.61) 86.44,62.61 86.44,62.61 88.41,62.61 91.27,65.47 137.66,65.47 v1(138.04,65.86) 136.63,67.27 127.36,67.27 IC5.13 ; U4.2 88.7,40.74 87.52,39.55 81.95,39.55 80.76,40.74 U3.2 67.7,41.69 67.62,41.77 47.45,41.77 46.43,40.74 U2.2 43.5,41.69 43.22,41.97 21.89,41.97 20.65,40.74 U1.2 ; v1(67.4,87.5) v1(84.45,87.5) 87.56,84.39 102.56,84.39 105.41,81.54 IC6.7 ; v1(11.76,48.02) 6.51,48.02 J3.33
  Bottom w0.25: 90.63,40.74 U4.2 ; v1(87.48,39.55) 87.59,39.66 87.63,39.66 ; 126.58,68.05 IC5.13
A18: length 360.2
  Top w0.152: U4.30 105.79,38.2 104.6,39.38 104.6,44.93 106.84,47.17 106.84,54.31 104.3,56.85 104.3,67.97 103.55,68.72 v1(103.55,72.52) 103.55,72.66 104.93,74.05 v1(104.93,83.38) 104.93,85 IC6.5 ; v1(80.77,84.97) 80.77,77.57 78.85,75.65 78.85,69.3 80.95,67.2 80.95,67.2 81.35,66.8 81.36,66.8 81.56,66.6 81.56,55.31 82.68,54.18 83.89,54.18 86.3,51.78 v1(86.3,38.2) ; v1(64.8,85) 64.8,93.38 ; v1(18.4,85.75) 17.75,85.1 17.75,58.97 17.76,58.96 v1(17.76,51.8)
  Bottom w0.152: J3.35 6.58,47.72 9.95,47.72 10.27,47.4 12.18,47.4 16.59,51.8 v1(17.76,51.8) 18.45,51.8 18.89,51.37 IC2.1 ; 117.62,70.82 117.06,70.26 105.61,70.26 103.55,72.32 v1(103.55,72.52) ; 35.59,38.2 36.79,39.4 58.49,39.4 58.74,39.15 U2.30 60.09,38.2 61.17,39.28 80.5,39.28 81.59,38.2 U3.30 84.29,38.2 84.3,38.2 v1(86.3,38.2) 86.87,38.2 86.87,38.2 89.65,38.2 90.67,39.22 104.76,39.22 105.79,38.2 U4.30 ; IC3.17 139.64,79 140.34,79.69 140.34,81.66 139.26,82.74 105.57,82.74 v1(104.93,83.38) ; v1(80.77,84.97) 64.83,84.97 v1(64.8,85) 63.83,84.03 39.48,84.03 39.47,84.02 23.29,84.02 21.57,85.74 18.41,85.74 v1(18.4,85.75)
